# KiCad board PSEC5_Board.kicad_pcb (continued)
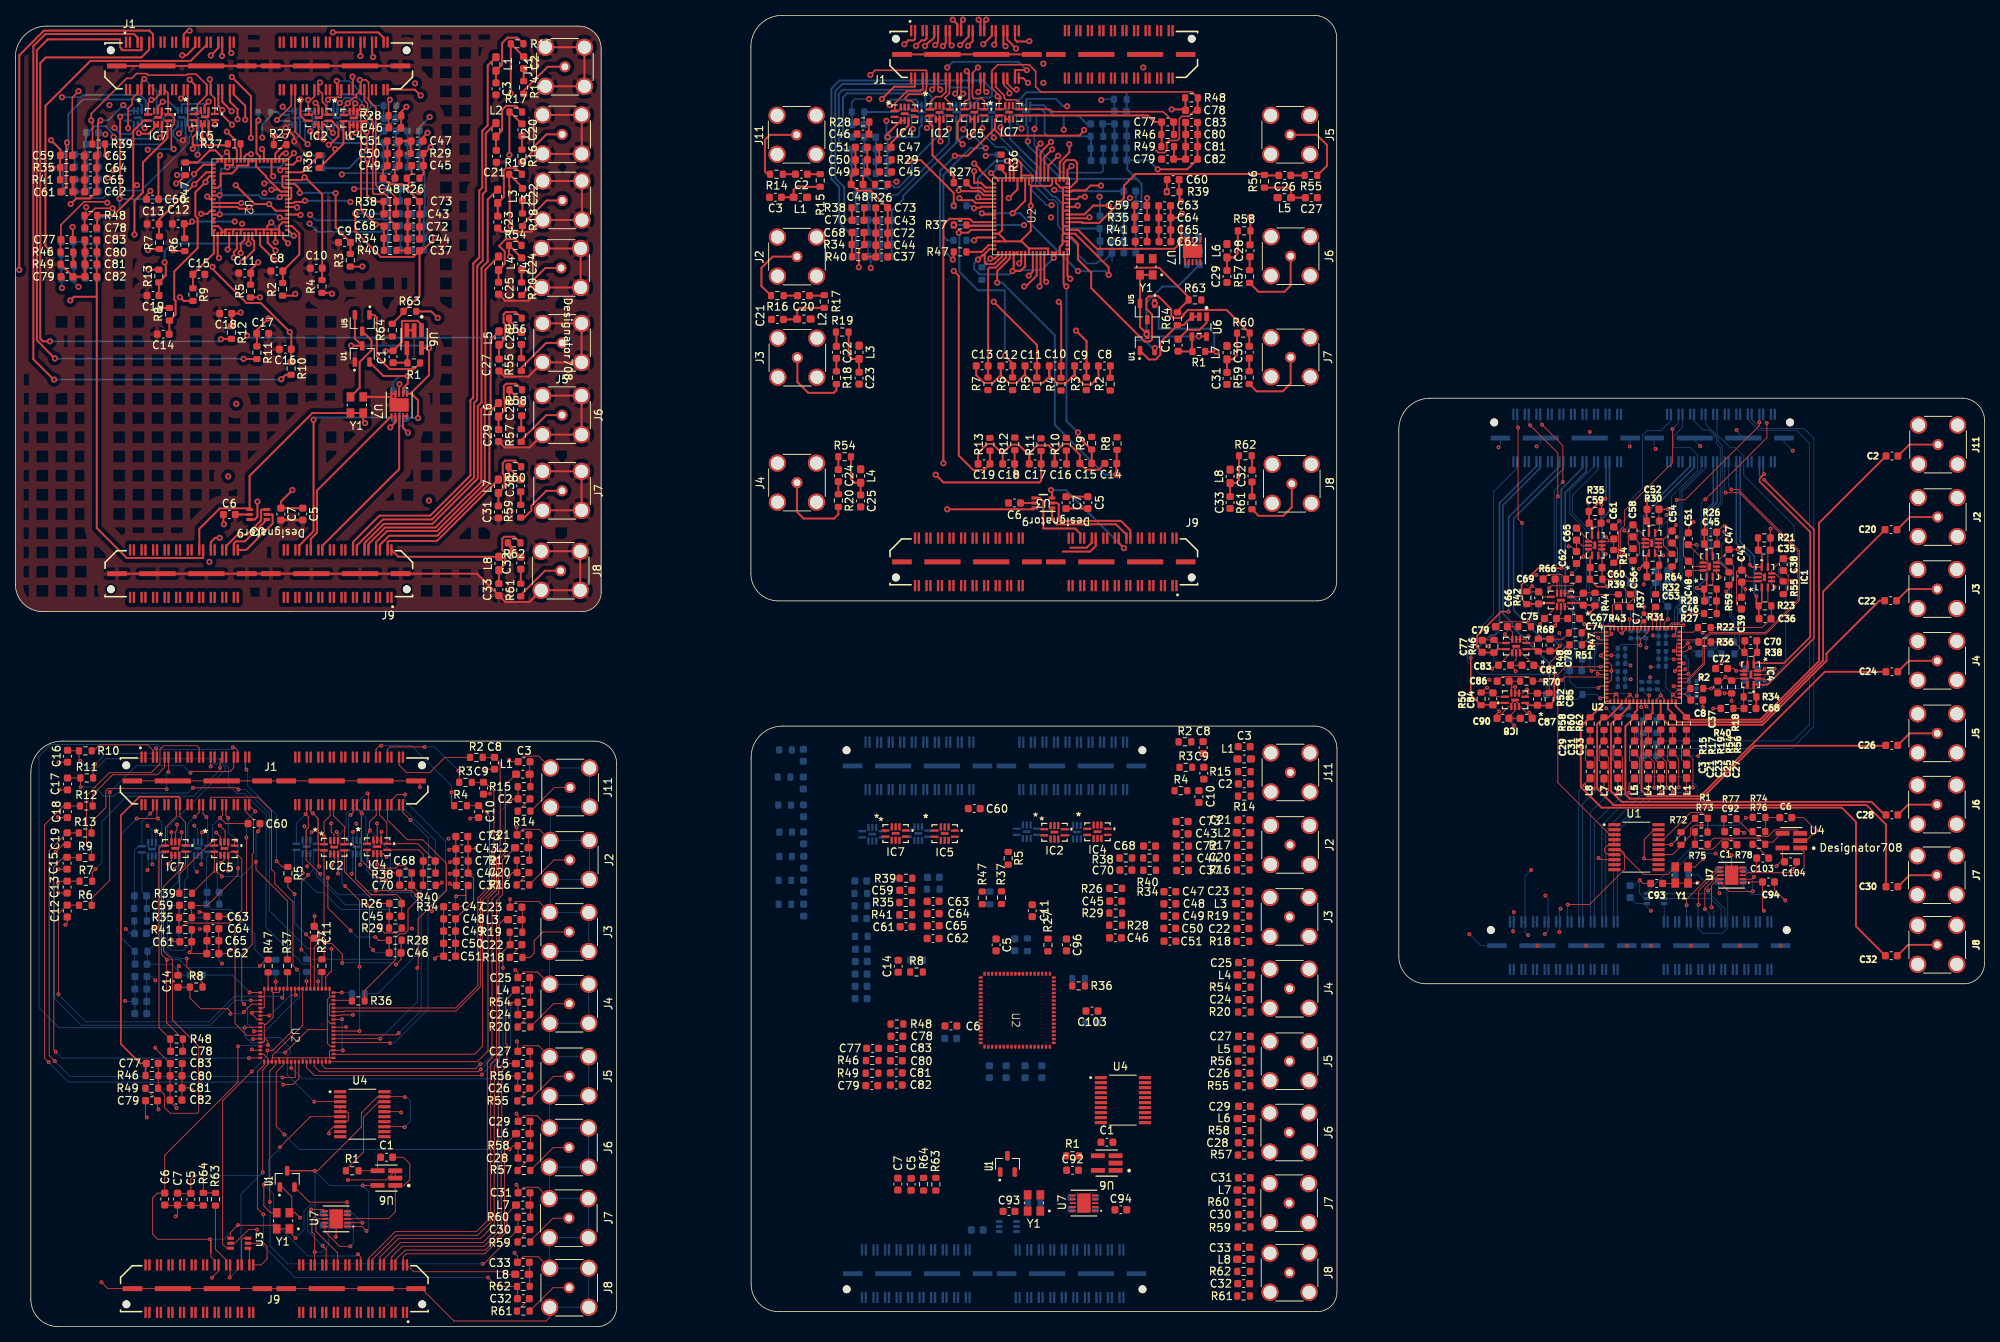
[diagram p0: board, top side]
## Placement (name value [footprint] x y rotation side) (continued)
C68#2  1.3pF  [C_0603_1608Metric]  53.83 60.59 180 top
C68#3  1.3pF  [C_0603_1608Metric]  225.64 80.45 180 top
C68#4  1.3pF  [C_0603_1608Metric]  48.71 143.2 180 top
C68#5  1.3pF  [C_0603_1608Metric]  147.52 62.55 180 top
C69  0.1u  [C_0603_1608Metric]  199.49 97.27 180 top
C69#2  0.1u  [C_0603_1608Metric]  6.94 152.56 0 bottom
C69#3  0.1u  [C_0603_1608Metric]  22.11 54.83 0 bottom
C69#4  0.1u  [C_0603_1608Metric]  115.8 56.78 0 bottom
C69#5  0.1u  [C_0603_1608Metric]  141.86 144.53 0 bottom
C70  1.3pF  [C_0603_1608Metric]  50.76 57.45 180 top
C70#2  1.3pF  [C_0603_1608Metric]  225.74 89.25 0 top
C70#3  1.3pF  [C_0603_1608Metric]  109.59 143.98 0 top
C70#4  1.3pF  [C_0603_1608Metric]  48.7 144.79 0 top
C70#5  1.3pF  [C_0603_1608Metric]  144.45 59.41 180 top
C71  1000pF  [C_0603_1608Metric]  144.96 139.76 0 bottom
C71#2  1000pF  [C_0603_1608Metric]  25.71 48.57 0 bottom
C71#3  1000pF  [C_0603_1608Metric]  10.03 147.79 0 bottom
C71#4  1000pF  [C_0603_1608Metric]  202.69 92.15 180 bottom
C71#5  1000pF  [C_0603_1608Metric]  119.41 50.52 0 bottom
C72  1000pF  [C_0603_1608Metric]  112.69 142.3 0 top
C72#2  1000pF  [C_0603_1608Metric]  51.8 143.12 0 top
C72#3  1000pF  [C_0603_1608Metric]  151.82 62.54 0 top
C72#4  1000pF  [C_0603_1608Metric]  221.94 85.65 0 top
C72#5  1000pF  [C_0603_1608Metric]  58.12 60.58 0 top
C73  0.1uF  [C_0603_1608Metric]  58.07 63.78 0 top
C73#2  0.1uF  [C_0603_1608Metric]  112.69 145.6 0 top
C73#3  0.1uF  [C_0603_1608Metric]  151.77 65.74 0 top
C73#4  0.1uF  [C_0603_1608Metric]  51.8 146.42 0 top
C73#5  0.1uF  [C_0603_1608Metric]  221.94 85.65 0 bottom
C74  0.1uF  [C_0603_1608Metric]  202.69 92.15 180 top
C74#2  0.1uF  [C_0603_1608Metric]  25.69 53.42 0 bottom
C74#3  0.1uF  [C_0603_1608Metric]  10.01 152.57 0 bottom
C74#4  0.1uF  [C_0603_1608Metric]  119.38 55.37 0 bottom
C74#5  0.1uF  [C_0603_1608Metric]  144.94 144.53 0 bottom
C75  0.1uF  [C_0603_1608Metric]  199.67 92.15 0 top
C75#2  0.1uF  [C_0603_1608Metric]  119.38 52.15 0 bottom
C75#3  0.1uF  [C_0603_1608Metric]  25.69 50.2 0 bottom
C75#4  0.1uF  [C_0603_1608Metric]  10.01 149.35 0 bottom
C75#5  0.1uF  [C_0603_1608Metric]  144.93 141.32 0 bottom
C76  1000pF  [C_0603_1608Metric]  199.67 92.15 0 bottom
C76#2  1000pF  [C_0603_1608Metric]  25.69 51.79 0 bottom
C76#3  1000pF  [C_0603_1608Metric]  119.38 53.74 0 bottom
C76#4  1000pF  [C_0603_1608Metric]  10.01 150.94 0 bottom
C76#5  1000pF  [C_0603_1608Metric]  144.94 142.91 0 bottom
C77  1.3pF  [C_0603_1608Metric]  190.8 88.55 90 top
C77#2  1.3pF  [C_0603_1608Metric]  17.81 34.26 0 top
C77#3  1.3pF  [C_0603_1608Metric]  6.7 141.46 0 top
C77#4  1.3pF  [C_0603_1608Metric]  149.87 156.77 180 top
C77#5  1.3pF  [C_0603_1608Metric]  111.5 36.22 0 top
C78  1.3pF  [C_0603_1608Metric]  20.97 35.83 180 top
C78#2  1.3pF  [C_0603_1608Metric]  9.8 142.98 180 top
C78#3  1.3pF  [C_0603_1608Metric]  114.67 37.79 180 top
C78#4  1.3pF  [C_0603_1608Metric]  199.62 88.7 270 top
C78#5  1.3pF  [C_0603_1608Metric]  152.97 158.29 0 top
C79  0.1u  [C_0603_1608Metric]  149.87 151.94 0 top
C79#2  0.1u  [C_0603_1608Metric]  17.71 29.4 0 top
C79#3  0.1u  [C_0603_1608Metric]  6.7 136.63 0 top
C79#4  0.1u  [C_0603_1608Metric]  111.4 31.36 0 top
C79#5  0.1u  [C_0603_1608Metric]  193.3 91.1 180 top
C80  1000pF  [C_0603_1608Metric]  114.59 34.6 0 top
C80#2  1000pF  [C_0603_1608Metric]  153 155.15 0 top
C80#3  1000pF  [C_0603_1608Metric]  9.82 139.85 0 top
C80#4  1000pF  [C_0603_1608Metric]  20.9 32.64 0 top
C80#5  1000pF  [C_0603_1608Metric]  196.75 86.07 180 bottom
C81  0.1uF  [C_0603_1608Metric]  153 153.58 0 top
C81#2  0.1uF  [C_0603_1608Metric]  20.89 31.07 0 top
C81#3  0.1uF  [C_0603_1608Metric]  9.82 138.27 0 top
C81#4  0.1uF  [C_0603_1608Metric]  196.75 86.07 180 top
C81#5  0.1uF  [C_0603_1608Metric]  114.59 33.03 0 top
C82  0.1uF  [C_0603_1608Metric]  152.99 151.94 0 top
C82#2  0.1uF  [C_0603_1608Metric]  9.81 136.63 0 top
C82#3  0.1uF  [C_0603_1608Metric]  20.89 29.48 0 top
C82#4  0.1uF  [C_0603_1608Metric]  114.58 31.44 0 top
C82#5  0.1uF  [C_0603_1608Metric]  193.7 86.07 0 bottom
C83  1000pF  [C_0603_1608Metric]  114.62 36.2 0 top
C83#2  1000pF  [C_0603_1608Metric]  152.99 156.72 0 top
C83#3  1000pF  [C_0603_1608Metric]  9.81 141.41 0 top
C83#4  1000pF  [C_0603_1608Metric]  193.7 86.07 0 top
C83#5  1000pF  [C_0603_1608Metric]  20.93 34.24 0 top
C84  1.3pF  [C_0603_1608Metric]  192.18 81.7 90 top
C84#2  1.3pF  [C_0603_1608Metric]  6.8 136.4 180 bottom
C84#3  1.3pF  [C_0603_1608Metric]  109.97 58 0 bottom
C84#4  1.3pF  [C_0603_1608Metric]  16.27 56.05 0 bottom
C84#5  1.3pF  [C_0603_1608Metric]  140.69 151.75 180 bottom
C85  1.3pF  [C_0603_1608Metric]  197.98 81.65 270 top
C85#2  1.3pF  [C_0603_1608Metric]  143.73 158.15 180 bottom
C85#3  1.3pF  [C_0603_1608Metric]  16.35 47.17 180 bottom
C85#4  1.3pF  [C_0603_1608Metric]  110.04 49.12 180 bottom
C85#5  1.3pF  [C_0603_1608Metric]  9.84 142.81 180 bottom
C86  0.1u  [C_0603_1608Metric]  193.53 84 180 top
C86#2  0.1u  [C_0603_1608Metric]  6.74 141.18 0 bottom
C86#3  0.1u  [C_0603_1608Metric]  140.64 156.52 0 bottom
C86#4  0.1u  [C_0603_1608Metric]  16.26 51.16 180 bottom
C86#5  0.1u  [C_0603_1608Metric]  109.96 53.11 180 bottom
C87  1000pF  [C_0603_1608Metric]  196.53 79.17 180 top
C87#2  1000pF  [C_0603_1608Metric]  110.01 44.28 0 bottom
C87#3  1000pF  [C_0603_1608Metric]  16.31 42.33 0 bottom
C87#4  1000pF  [C_0603_1608Metric]  143.77 153.37 0 bottom
C87#5  1000pF  [C_0603_1608Metric]  9.88 138.03 0 bottom
C88  0.1uF  [C_0603_1608Metric]  16.32 43.93 0 bottom
C88#2  0.1uF  [C_0603_1608Metric]  196.53 79.17 180 bottom
C88#3  0.1uF  [C_0603_1608Metric]  143.77 154.95 0 bottom
C88#4  0.1uF  [C_0603_1608Metric]  9.88 139.6 0 bottom
C88#5  0.1uF  [C_0603_1608Metric]  110.01 45.88 0 bottom
C89  0.1uF  [C_0603_1608Metric]  193.5 79.17 0 bottom
C89#2  0.1uF  [C_0603_1608Metric]  143.74 156.52 0 bottom
C89#3  0.1uF  [C_0603_1608Metric]  110.02 47.51 0 bottom
C89#4  0.1uF  [C_0603_1608Metric]  16.33 45.56 0 bottom
C89#5  0.1uF  [C_0603_1608Metric]  9.85 141.18 0 bottom
C90  1000pF  [C_0603_1608Metric]  193.5 79.17 0 top
C90#2  1000pF  [C_0603_1608Metric]  16.31 40.73 0 bottom
C90#3  1000pF  [C_0603_1608Metric]  9.9 136.45 0 bottom
C90#4  1000pF  [C_0603_1608Metric]  110 42.68 0 bottom
C90#5  1000pF  [C_0603_1608Metric]  143.79 151.8 0 bottom
C91  0.1u  [C_0603_1608Metric]  125.12 12.58 0 bottom
C91#2  0.1u  [C_0603_1608Metric]  210.04 56.62 270 bottom
C92  C  [C_0603_1608Metric]  223.11 64.42 180 top
C92#2  0.1u  [C_0603_1608Metric]  137.52 20.35 0 top
C93  0.1u  [C_0603_1608Metric]  129.25 15 0 top
C93#2  0.1u  [C_0603_1608Metric]  213.49 57.67 0 top
C94  0.1u  [C_0603_1608Metric]  228.04 57.87 0 top
C94#2  0.1u  [C_0603_1608Metric]  143.8 15.2 0 top
C95  330n  [C_0402_1005Metric]  207.89 80.02 90 bottom
C95#2  700n  [C_0603_1608Metric]  126.69 33.18 90 bottom
C96  400n  [C_0603_1608Metric]  136.72 49.68 270 top
C96#2  680n  [C_0402_1005Metric]  218.19 82.05 180 bottom
C97  700n  [C_0603_1608Metric]  128.87 33.18 90 bottom
C97#2  680n  [C_0402_1005Metric]  209.86 80.02 90 bottom
C98  100n  [C_0402_1005Metric]  208.88 80.02 90 bottom
C98#2  700n  [C_0603_1608Metric]  131.34 33.18 90 bottom
C99  330n  [C_0402_1005Metric]  214.21 85.92 0 bottom
C99#2  700n  [C_0603_1608Metric]  133.52 33.18 90 bottom
C100  700n  [C_0603_1608Metric]  140.02 39.53 180 bottom
C100#2  680n  [C_0402_1005Metric]  214.21 86.9 0 bottom
C101  100n  [C_0402_1005Metric]  214.21 87.87 0 bottom
C101#2  700n  [C_0603_1608Metric]  129.99 49.7 270 bottom
C102  100n  [C_0402_1005Metric]  218.19 83.02 180 bottom
C102#2  700n  [C_0603_1608Metric]  121.67 37.5 0 bottom
C103  400n  [C_0603_1608Metric]  140.04 41.08 180 top
C103#2  C  [C_0603_1608Metric]  227.29 60.97 0 top
C104  0.1u  [C_0603_1608Metric]  230.91 60.5 180 top
C105  330n  [C_0402_1005Metric]  208.91 88.27 180 bottom
C106  680n  [C_0402_1005Metric]  208.91 87.28 180 bottom
C107  100n  [C_0402_1005Metric]  208.91 86.3 180 bottom
C108  330n  [C_0402_1005Metric]  211.53 83.42 270 bottom
C109  680n  [C_0402_1005Metric]  212.54 83.42 270 bottom
C110  100n  [C_0402_1005Metric]  213.58 83.42 270 bottom
C111  330n  [C_0402_1005Metric]  208.91 85.25 180 bottom
C112  680n  [C_0402_1005Metric]  208.9 84.27 180 bottom
C113  100n  [C_0402_1005Metric]  208.91 83.3 180 bottom
C114  330n  [C_0402_1005Metric]  211.11 90.07 90 bottom
C115  680n  [C_0402_1005Metric]  210.14 90.07 90 bottom
C116  100n  [C_0402_1005Metric]  212.09 90.07 90 bottom
C117  330n  [C_0402_1005Metric]  214.21 88.89 0 bottom
C118  680n  [C_0402_1005Metric]  214.21 89.87 0 bottom
C119  100n  [C_0402_1005Metric]  214.21 90.87 0 bottom
IC1  LTC6409IUDB#TRMPBF  [QFN-10_UDB_LIT#2]  227.56 97.52 90 top
IC1#2  LTC6409IUDB#TRMPBF  [QFN-10_UDB_LIT#2]  44.38 62.4 180 bottom
IC1#3  LTC6409IUDB#TRMPBF  [QFN-10_UDB_LIT#2]  138.08 64.35 180 bottom
IC1#4  LTC6409IUDB#TRMPBF  [QFN-10_UDB_LIT]  41.89 157.3 180 bottom
IC1#5  LTC6409IUDB#TRMPBF  [QFN-10_UDB_LIT]  117.88 158.07 0 bottom
IC2  LTC6409IUDB#TRMPBF  [QFN-10_UDB_LIT#2]  135.16 64.34 0 top
IC2#2  LTC6409IUDB#TRMPBF  [QFN-10_UDB_LIT#2]  220.39 98.92 90 top
IC2#3  LTC6409IUDB#TRMPBF  [QFN-10_UDB_LIT#2]  41.47 62.38 0 top
IC2#4  LTC6409IUDB#TRMPBF  [QFN-10_UDB_LIT]  39.43 157.32 0 top
IC2#5  LTC6409IUDB#TRMPBF  [QFN-10_UDB_LIT]  120.22 157.99 0 top
IC3  LTC6409IUDB#TRMPBF  [QFN-10_UDB_LIT#2]  212.89 101.97 90 top
IC3#2  LTC6409IUDB#TRMPBF  [QFN-10_UDB_LIT#2]  131.56 64.4 180 bottom
IC3#3  LTC6409IUDB#TRMPBF  [QFN-10_UDB_LIT]  36.53 157.32 0 bottom
IC3#4  LTC6409IUDB#TRMPBF  [QFN-10_UDB_LIT]  122.4 158.08 0 bottom
IC3#5  LTC6409IUDB#TRMPBF  [QFN-10_UDB_LIT#2]  37.86 62.45 180 bottom
IC4  LTC6409IUDB#TRMPBF  [QFN-10_UDB_LIT]  115.67 157.83 0 top
IC4#2  LTC6409IUDB#TRMPBF  [QFN-10_UDB_LIT#2]  225.71 84.85 270 top
IC4#3  LTC6409IUDB#TRMPBF  [QFN-10_UDB_LIT#2]  47.06 62.44 0 top
IC4#4  LTC6409IUDB#TRMPBF  [QFN-10_UDB_LIT]  43.99 157.27 0 top
IC4#5  LTC6409IUDB#TRMPBF  [QFN-10_UDB_LIT#2]  140.75 64.4 0 top
IC5  LTC6409IUDB#TRMPBF  [QFN-10_UDB_LIT#2]  120.88 64.16 0 top
IC5#2  LTC6409IUDB#TRMPBF  [QFN-10_UDB_LIT#2]  27.19 62.2 0 top
IC5#3  LTC6409IUDB#TRMPBF  [QFN-10_UDB_LIT#2]  205.49 101.67 90 top
IC5#4  LTC6409IUDB#TRMPBF  [QFN-10_UDB_LIT]  124.73 158.02 0 top
IC5#5  LTC6409IUDB#TRMPBF  [QFN-10_UDB_LIT]  24.62 157.42 0 top
IC6  LTC6409IUDB#TRMPBF  [QFN-10_UDB_LIT#2]  201.04 94.57 180 top
IC6#2  LTC6409IUDB#TRMPBF  [QFN-10_UDB_LIT]  127.03 158.04 0 bottom
IC6#3  LTC6409IUDB#TRMPBF  [QFN-10_UDB_LIT#2]  23.74 62.2 180 bottom
IC6#4  LTC6409IUDB#TRMPBF  [QFN-10_UDB_LIT#2]  117.43 64.16 180 bottom
IC6#5  LTC6409IUDB#TRMPBF  [QFN-10_UDB_LIT]  21.64 157.4 0 bottom
IC7  LTC6409IUDB#TRMPBF  [QFN-10_UDB_LIT#2]  114.5 64.17 0 top
IC7#2  LTC6409IUDB#TRMPBF  [QFN-10_UDB_LIT#2]  195.21 88.57 180 top
IC7#3  LTC6409IUDB#TRMPBF  [QFN-10_UDB_LIT]  18.55 157.35 0 top
IC7#4  LTC6409IUDB#TRMPBF  [QFN-10_UDB_LIT]  129.26 158.02 0 top
IC7#5  LTC6409IUDB#TRMPBF  [QFN-10_UDB_LIT#2]  20.8 62.22 0 top
IC8  LTC6409IUDB#TRMPBF  [QFN-10_UDB_LIT#2]  195.08 81.57 180 top
IC8#2  LTC6409IUDB#TRMPBF  [QFN-10_UDB_LIT#2]  17.77 62.12 180 bottom
IC8#3  LTC6409IUDB#TRMPBF  [QFN-10_UDB_LIT]  15.92 157.35 0 bottom
IC8#4  LTC6409IUDB#TRMPBF  [QFN-10_UDB_LIT]  131.5 158.09 0 bottom
IC8#5  LTC6409IUDB#TRMPBF  [QFN-10_UDB_LIT#2]  111.47 64.07 180 bottom
J1  QTH-040-01-X-D-DP-A  [SAMTEC_QTH-040-01-X-D-DP-A]  133.77 165.57 0 top
J1#2  QTH-040-01-X-D-DP-A  [SAMTEC_QTH-040-01-X-D-DP-A]  33.66 71.02 0 top
J1#3  QTH-040-01-X-D-DP-A  [SAMTEC_QTH-040-01-X-D-DP-A]  31.65 164.07 0 top
J1#4  QTH-040-01-X-D-DP-A  [SAMTEC_QTH-040-01-X-D-DP-A]  127.35 72.97 180 bottom
J1#5  QTH-040-01-X-D-DP-A  [SAMTEC_QTH-040-01-X-D-DP-A]  211.6 115.64 180 bottom
J2  Conn_Coaxial  [SMA_Amphenol_132134-14_Vertical]  101.67 139.25 0 top
J2#2  Conn_Coaxial  [SMA_Amphenol_132134-14_Vertical]  250.05 105.36 90 top
J2#3  Conn_Coaxial  [SMA_Amphenol_132134-14_Vertical]  165.81 62.69 90 top
J2#4  Conn_Coaxial  [SMA_Amphenol_132134-14_Vertical]  72.11 60.73 90 top
J2#5  Conn_Coaxial  [SMA_Amphenol_132134-14_Vertical]  71.13 155.16 90 top
J3  Conn_Coaxial  [SMA_Amphenol_132134-14_Vertical]  249.98 95.99 90 top
J3#2  Conn_Coaxial  [SMA_Amphenol_132134-14_Vertical]  101.72 126.1 0 top
J3#3  Conn_Coaxial  [SMA_Amphenol_132134-14_Vertical]  72.04 51.36 90 top
J3#4  Conn_Coaxial  [SMA_Amphenol_132134-14_Vertical]  71.15 146.56 90 top
J3#5  Conn_Coaxial  [SMA_Amphenol_132134-14_Vertical]  165.74 53.32 90 top
J4  Conn_Coaxial  [SMA_Amphenol_132134-14_Vertical]  70.99 137.77 90 top
J4#2  Conn_Coaxial  [SMA_Amphenol_132134-14_Vertical]  249.99 86.65 90 top
J4#3  Conn_Coaxial  [SMA_Amphenol_132134-14_Vertical]  101.67 109.84 0 top
J4#4  Conn_Coaxial  [SMA_Amphenol_132134-14_Vertical]  72.05 42.02 90 top
J4#5  Conn_Coaxial  [SMA_Amphenol_132134-14_Vertical]  165.74 43.98 90 top
J5  Conn_Coaxial  [SMA_Amphenol_132134-14_Vertical]  71.11 128.02 180 top
J5#2  Conn_Coaxial  [SMA_Amphenol_132134-14_Vertical]  249.98 77.21 180 top
J5#3  Conn_Coaxial  [SMA_Amphenol_132134-14_Vertical]  165.83 155.1 180 top
J5#4  Conn_Coaxial  [SMA_Amphenol_132134-14_Vertical]  165.74 34.54 180 top
J5#5  Conn_Coaxial  [SMA_Amphenol_132134-14_Vertical]  72.04 32.58 180 top
J6  Conn_Coaxial  [SMA_Amphenol_132134-14_Vertical]  165.88 139.3 180 top
J6#2  Conn_Coaxial  [SMA_Amphenol_132134-14_Vertical]  165.7 25.26 270 top
J6#3  Conn_Coaxial  [SMA_Amphenol_132134-14_Vertical]  72.01 23.31 270 top
J6#4  Conn_Coaxial  [SMA_Amphenol_132134-14_Vertical]  249.95 67.93 270 top
J6#5  Conn_Coaxial  [SMA_Amphenol_132134-14_Vertical]  71.11 118.62 270 top
J7  Conn_Coaxial  [SMA_Amphenol_132134-14_Vertical]  71.99 14.12 270 top
J7#2  Conn_Coaxial  [SMA_Amphenol_132134-14_Vertical]  165.68 16.07 270 top
J7#3  Conn_Coaxial  [SMA_Amphenol_132134-14_Vertical]  71.11 108.77 270 top
J7#4  Conn_Coaxial  [SMA_Amphenol_132134-14_Vertical]  249.93 58.74 270 top
J7#5  Conn_Coaxial  [SMA_Amphenol_132134-14_Vertical]  165.88 126.15 180 top
J8  Conn_Coaxial  [SMA_Amphenol_132134-14_Vertical]  165.74 7.02 270 top
J8#2  Conn_Coaxial  [SMA_Amphenol_132134-14_Vertical]  72.04 5.06 270 top
J8#3  Conn_Coaxial  [SMA_Amphenol_132134-14_Vertical]  166.03 109.69 180 top
J8#4  Conn_Coaxial  [SMA_Amphenol_132134-14_Vertical]  249.98 49.69 270 top
J8#5  Conn_Coaxial  [SMA_Amphenol_132134-14_Vertical]  70.93 98.37 270 top
J9  QTH-040-01-X-D-DP-A  [SAMTEC_QTH-040-01-X-D-DP-A]  33.68 4.94 180 top
J9#2  QTH-040-01-X-D-DP-A  [SAMTEC_QTH-040-01-X-D-DP-A]  31.67 97.99 180 top
J9#3  QTH-040-01-X-D-DP-A  [SAMTEC_QTH-040-01-X-D-DP-A]  133.77 99.53 180 top
J9#4  QTH-040-01-X-D-DP-A  [SAMTEC_QTH-040-01-X-D-DP-A]  127.37 6.89 0 bottom
J9#5  QTH-040-01-X-D-DP-A  [SAMTEC_QTH-040-01-X-D-DP-A]  211.16 49.58 180 bottom
J11  Conn_Coaxial  [SMA_Amphenol_132134-14_Vertical]  72.15 70.16 90 top
J11#2  Conn_Coaxial  [SMA_Amphenol_132134-14_Vertical]  101.61 155.1 270 top
J11#3  Conn_Coaxial  [SMA_Amphenol_132134-14_Vertical]  250.09 114.79 90 top
J11#4  Conn_Coaxial  [SMA_Amphenol_132134-14_Vertical]  165.85 72.12 90 top
J11#5  Conn_Coaxial  [SMA_Amphenol_132134-14_Vertical]  71.48 163.96 90 top
L1  10u  [L_0603_1608Metric_Pad1.05x0.95mm_HandSolder]  217.39 72.27 270 top
L1#2  10u  [L_0603_1608Metric_Pad1.05x0.95mm_HandSolder]  159.84 73.88 180 top
L1#3  10u  [L_0603_1608Metric_Pad1.05x0.95mm_HandSolder]  102.1 146.97 0 top
L1#4  10u  [L_0603_1608Metric_Pad1.05x0.95mm_HandSolder]  66.01 71.89 180 top
L1#5  10u  [L_0603_1608Metric_Pad1.05x0.95mm_HandSolder]  62.51 164.32 90 top
L2  10u  [L_0603_1608Metric_Pad1.05x0.95mm_HandSolder]  65.87 62.32 180 top
L2#2  10u  [L_0603_1608Metric_Pad1.05x0.95mm_HandSolder]  102.57 131.12 0 top
L2#3  10u  [L_0603_1608Metric_Pad1.05x0.95mm_HandSolder]  62.51 155.75 90 top
L2#4  10u  [L_0603_1608Metric_Pad1.05x0.95mm_HandSolder]  159.74 64.28 180 top
L2#5  10u  [L_0603_1608Metric_Pad1.05x0.95mm_HandSolder]  215.56 72.22 270 top
L3  10u  [L_0603_1608Metric_Pad1.05x0.95mm_HandSolder]  214.01 72.22 270 top
L3#2  10u  [L_0603_1608Metric_Pad1.05x0.95mm_HandSolder]  64.95 52.96 180 top
L3#3  10u  [L_0603_1608Metric_Pad1.05x0.95mm_HandSolder]  62.74 147.1 90 top
L3#4  10u  [L_0603_1608Metric_Pad1.05x0.95mm_HandSolder]  159.67 55.05 180 top
L3#5  10u  [L_0603_1608Metric_Pad1.05x0.95mm_HandSolder]  109.74 126.79 90 top
L4  10u  [L_0603_1608Metric_Pad1.05x0.95mm_HandSolder]  65.97 43.81 180 top
L4#2  10u  [L_0603_1608Metric_Pad1.05x0.95mm_HandSolder]  212.41 72.22 270 top
L4#3  10u  [L_0603_1608Metric_Pad1.05x0.95mm_HandSolder]  159.84 45.76 180 top
L4#4  10u  [L_0603_1608Metric_Pad1.05x0.95mm_HandSolder]  109.95 110.7 90 top
L4#5  10u  [L_0603_1608Metric_Pad1.05x0.95mm_HandSolder]  62.85 138.39 90 top
L5  10u  [L_0603_1608Metric_Pad1.05x0.95mm_HandSolder]  62.91 128.65 90 top
L5#2  10u  [L_0603_1608Metric_Pad1.05x0.95mm_HandSolder]  65.97 34.23 180 top
L5#3  10u  [L_0603_1608Metric_Pad1.05x0.95mm_HandSolder]  210.61 72.22 270 top
L5#4  10u  [L_0603_1608Metric_Pad1.05x0.95mm_HandSolder]  159.84 36.13 180 top
L5#5  10u  [L_0603_1608Metric_Pad1.05x0.95mm_HandSolder]  165.06 146.92 180 top
L6  10u  [L_0603_1608Metric_Pad1.05x0.95mm_HandSolder]  208.44 72.27 270 top
L6#2  10u  [L_0603_1608Metric_Pad1.05x0.95mm_HandSolder]  157.6 140.01 90 top
L6#3  10u  [L_0603_1608Metric_Pad1.05x0.95mm_HandSolder]  66 25.12 180 top
L6#4  10u  [L_0603_1608Metric_Pad1.05x0.95mm_HandSolder]  62.85 119.32 90 top
L6#5  10u  [L_0603_1608Metric_Pad1.05x0.95mm_HandSolder]  159.87 27.08 180 top
L7  10u  [L_0603_1608Metric_Pad1.05x0.95mm_HandSolder]  159.84 17.78 180 top
L7#2  10u  [L_0603_1608Metric_Pad1.05x0.95mm_HandSolder]  65.99 15.82 180 top
L7#3  10u  [L_0603_1608Metric_Pad1.05x0.95mm_HandSolder]  62.83 109.37 90 top
L7#4  10u  [L_0603_1608Metric_Pad1.05x0.95mm_HandSolder]  157.6 126.76 90 top
L7#5  10u  [L_0603_1608Metric_Pad1.05x0.95mm_HandSolder]  206.64 72.2 270 top
L8  10u  [L_0603_1608Metric_Pad1.05x0.95mm_HandSolder]  62.89 99.32 90 top
L8#2  10u  [L_0603_1608Metric_Pad1.05x0.95mm_HandSolder]  159.79 8.77 180 top
L8#3  10u  [L_0603_1608Metric_Pad1.05x0.95mm_HandSolder]  158 110.65 90 top
L8#4  10u  [L_0603_1608Metric_Pad1.05x0.95mm_HandSolder]  65.9 6.81 180 top
L8#5  10u  [L_0603_1608Metric_Pad1.05x0.95mm_HandSolder]  204.84 72.25 270 top
R1  R_US  [R_0603_1608Metric]  43.82 20.28 180 top
R1#2  140  [R_0603_1608Metric]  219.31 66.15 0 top
R1#3  R_US  [R_0603_1608Metric]  137.51 22.24 180 top
R1#4  R_US  [R_0603_1608Metric]  51.82 125.41 0 top
R1#5  R_US  [R_0603_1608Metric]  153.94 126.91 0 top
R2  R_US  [R_0603_1608Metric]  142.41 122.65 270 top
R2#2  R_US  [R_0603_1608Metric]  59.96 74.08 180 top
R2#3  R_US  [R_0603_1608Metric]  218.71 83.05 0 top
R2#4  R_US  [R_0603_1608Metric]  152.13 76.11 180 top
R2#5  R_US  [R_0603_1608Metric]  34.76 135 270 top
R3  R_US  [R_0603_1608Metric]  139.31 122.7 270 top
R3#2  R_US  [R_0603_1608Metric]  152.25 72.79 180 top
R3#3  R_US  [R_0603_1608Metric]  43.56 138.77 270 top
R3#4  R_US  [R_0603_1608Metric]  58.55 70.83 180 top
R3#5  R_US  [R_0603_1608Metric]  222.76 87.55 0 bottom
R4  R_US  [R_0603_1608Metric]  151.61 69.75 180 top
R4#2  R_US  [R_0603_1608Metric]  57.91 67.79 180 top
R4#3  R_US  [R_0603_1608Metric]  136.01 122.65 270 top
R4#4  R_US  [R_0603_1608Metric]  39.89 135.37 270 top
R4#5  R_US  [R_0603_1608Metric]  222.76 89.1 0 bottom
R5  R_US  [R_0603_1608Metric]  30.59 134.77 270 top
R5#2  R_US  [R_0603_1608Metric]  132.86 122.7 270 top
R5#3  R_US  [R_0603_1608Metric]  35.45 59 90 top
R5#4  R_US  [R_0603_1608Metric]  129.14 60.95 90 top
R5#5  R_US  [R_0603_1608Metric]  213.36 94.5 90 bottom
R6  R_US  [R_0603_1608Metric]  9.1 54.82 0 top
R6#2  R_US  [R_0603_1608Metric]  22.04 140.8 270 top
R6#3  R_US  [R_0603_1608Metric]  129.71 122.7 270 top
R6#4  R_US  [R_0603_1608Metric]  210.06 94.47 90 bottom
R6#5  R_US  [R_0603_1608Metric]  100.1 54.97 180 bottom
R7  R_US  [R_0603_1608Metric]  9.17 57.96 0 top
R7#2  R_US  [R_0603_1608Metric]  18.74 141.06 270 top
R7#3  R_US  [R_0603_1608Metric]  126.51 122.7 270 top
R7#4  R_US  [R_0603_1608Metric]  100.1 58.08 180 bottom
R7#5  R_US  [R_0603_1608Metric]  202.91 90.3 180 bottom
R8  R_US  [R_0603_1608Metric]  23.52 44.2 0 top
R8#2  R_US  [R_0603_1608Metric]  20.04 131.75 90 top
R8#3  R_US  [R_0603_1608Metric]  143.3 114.92 90 top
R8#4  R_US  [R_0603_1608Metric]  117.22 46.15 0 top
R8#5  R_US  [R_0603_1608Metric]  202.96 86.87 180 bottom
R9  R_US  [R_0603_1608Metric]  139.99 114.97 90 top
R9#2  R_US  [R_0603_1608Metric]  9.09 61.06 0 top
R9#3  R_US  [R_0603_1608Metric]  23.1 134.31 270 top
R9#4  R_US  [R_0603_1608Metric]  100.18 61.18 180 bottom
R9#5  R_US  [R_0603_1608Metric]  203.01 82.27 180 bottom
R10  R_US  [R_0603_1608Metric]  9.1 74.93 0 top
R10#2  R_US  [R_0603_1608Metric]  35.86 124.69 270 top
R10#3  R_US  [R_0603_1608Metric]  136.7 114.83 90 top
R10#4  R_US  [R_0603_1608Metric]  214.94 97.6 90 bottom
R10#5  R_US  [R_0603_1608Metric]  100.17 75.05 180 bottom
R11  R_US  [R_0603_1608Metric]  133.4 114.78 90 top
R11#2  R_US  [R_0603_1608Metric]  31.41 126.75 270 top
R11#3  R_US  [R_0603_1608Metric]  9.28 71.4 0 top
R11#4  R_US  [R_0603_1608Metric]  219.19 94.6 0 bottom
R11#5  R_US  [R_0603_1608Metric]  99.99 71.52 180 bottom
R12  R_US  [R_0603_1608Metric]  9.22 67.75 0 top
R12#2  R_US  [R_0603_1608Metric]  130 114.88 90 top
R12#3  R_US  [R_0603_1608Metric]  28.09 129.37 270 top
R12#4  R_US  [R_0603_1608Metric]  100.05 67.87 180 bottom
R12#5  R_US  [R_0603_1608Metric]  213.51 78.1 270 bottom
R13  R_US  [R_0603_1608Metric]  126.76 114.82 90 top
R13#2  R_US  [R_0603_1608Metric]  9.08 64.24 0 top
R13#3  R_US  [R_0603_1608Metric]  18.66 136.72 90 top
R13#4  R_US  [R_0603_1608Metric]  100.2 64.36 180 bottom
R13#5  R_US  [R_0603_1608Metric]  211.79 78.1 270 bottom
R14  50  [R_0603_1608Metric]  159.86 69.04 0 top
R14#2  50  [R_0603_1608Metric]  66.11 161.26 270 top
R14#3  2k  [R_0603_1608Metric]  207.91 100.24 270 top
R14#4  50  [R_0603_1608Metric]  66.16 67.08 0 top
R14#5  50  [R_0603_1608Metric]  99 149.97 180 top
R15  50  [R_0603_1608Metric]  217.36 78.5 90 top
R15#2  50  [R_0603_1608Metric]  66.16 70.27 180 top
R15#3  50  [R_0603_1608Metric]  159.86 72.23 180 top
R15#4  50  [R_0603_1608Metric]  65.26 166.95 180 top
R15#5  50  [R_0603_1608Metric]  104.69 149.16 90 top
R16  50  [R_0603_1608Metric]  159.72 59.44 0 top
R16#2  50  [R_0603_1608Metric]  65.89 152.34 270 top
R16#3  50  [R_0603_1608Metric]  66.02 57.48 0 top
R16#4  50  [R_0603_1608Metric]  99.11 134.17 180 top
R16#5  2k  [R_0603_1608Metric]  207.91 103.29 270 bottom
R17  50  [R_0603_1608Metric]  159.73 62.65 180 top
R17#2  50  [R_0603_1608Metric]  215.56 78.5 90 top
R17#3  50  [R_0603_1608Metric]  66.03 60.69 180 top
R17#4  50  [R_0603_1608Metric]  105.21 133.41 90 top
R17#5  50  [R_0603_1608Metric]  65.09 158.07 180 top
R18  50  [R_0603_1608Metric]  106.8 123.49 270 top
R18#2  2k  [R_0603_1608Metric]  223.24 83.25 270 top
R18#3  50  [R_0603_1608Metric]  65.13 48.04 0 top
R18#4  50  [R_0603_1608Metric]  65.96 144.05 270 top
R18#5  50  [R_0603_1608Metric]  159.68 50.14 0 top
R19  50  [R_0603_1608Metric]  214.01 78.52 90 top
R19#2  50  [R_0603_1608Metric]  65.11 51.33 180 top
R19#3  50  [R_0603_1608Metric]  159.67 53.43 180 top
R19#4  50  [R_0603_1608Metric]  107.56 129.44 180 top
R19#5  50  [R_0603_1608Metric]  65.06 149.97 180 top
R20  R_US  [R_0603_1608Metric]  66.16 39 0 top
R20#2  R_US  [R_0603_1608Metric]  107.05 107.5 270 top
R20#3  R_US  [R_0603_1608Metric]  159.86 40.95 0 top
R20#4  R_US  [R_0603_1608Metric]  65.85 135.06 270 top
R20#5  2k  [R_0603_1608Metric]  223.24 83.25 90 bottom
R21  1000  [R_0603_1608Metric]  227.48 102.65 180 top
R21#2  1000  [R_0603_1608Metric]  147.52 60.99 0 bottom
R21#3  1000  [R_0603_1608Metric]  48.74 152.46 0 bottom
R21#4  1000  [R_0603_1608Metric]  53.82 59.03 0 bottom
R21#5  1000  [R_0603_1608Metric]  109.63 151.65 0 bottom
R22  1000  [R_0603_1608Metric]  219.69 90.97 180 top
R22#2  1000  [R_0603_1608Metric]  127.85 151.7 270 bottom
R22#3  1000  [R_0603_1608Metric]  39.86 151.6 90 bottom
R22#4  1000  [R_0603_1608Metric]  138.3 45.3 180 bottom
R22#5  1000  [R_0603_1608Metric]  44.6 43.34 180 bottom
R23  1000  [R_0603_1608Metric]  227.58 93.8 0 top
R23#2  1000  [R_0603_1608Metric]  109.61 158.07 0 bottom
R23#3  1000  [R_0603_1608Metric]  144.45 59.41 0 bottom
R23#4  1000  [R_0603_1608Metric]  48.71 158.89 0 bottom
R23#5  1000  [R_0603_1608Metric]  50.75 57.45 0 bottom
R24  1000  [R_0603_1608Metric]  48.72 154.04 0 bottom
R24#2  1000  [R_0603_1608Metric]  109.61 153.22 0 bottom
R24#3  1000  [R_0603_1608Metric]  53.83 57.44 0 bottom
R24#4  1000  [R_0603_1608Metric]  228.23 101.85 270 bottom
R24#5  1000  [R_0603_1608Metric]  147.53 59.4 0 bottom
R25  R_US  [C_0603_1608Metric]  50.04 118.19 180 bottom
R25#2  R_US  [R_0603_1608Metric]  153.24 138.23 180 bottom
R25#3  R_US  [C_0603_1608Metric]  221.56 58.71 90 bottom
R25#4  R_US  [C_0603_1608Metric]  40.04 13.99 90 bottom
R25#5  R_US  [C_0603_1608Metric]  137.32 16.04 90 bottom
R26  1000  [R_0603_1608Metric]  112.64 148.65 180 top
R26#2  1000  [R_0603_1608Metric]  51.74 149.46 180 top
R26#3  1000  [R_0603_1608Metric]  143.13 57.03 0 top
R26#4  1000  [R_0603_1608Metric]  220.51 101.84 180 top
R26#5  1000  [R_0603_1608Metric]  49.44 55.07 0 top
R27  1000  [R_0603_1608Metric]  134.32 49.66 270 top
R27#2  1000  [R_0603_1608Metric]  39.87 46.97 270 top
R27#3  1000  [R_0603_1608Metric]  220.49 92.8 180 top
R27#4  1000  [R_0603_1608Metric]  122.89 148.87 0 top
R27#5  1000  [R_0603_1608Metric]  34.44 153.82 0 top
R28  1000  [R_0603_1608Metric]  220.49 95.99 0 top
R28#2  1000  [R_0603_1608Metric]  49.42 50.28 0 top
R28#3  1000  [R_0603_1608Metric]  110.25 156.78 0 top
R28#4  1000  [R_0603_1608Metric]  49.36 157.59 0 top
R28#5  1000  [R_0603_1608Metric]  143.11 52.24 0 top
R29  1000  [R_0603_1608Metric]  113.15 151.85 180 top
R29#2  1000  [R_0603_1608Metric]  143.13 53.82 0 top
R29#3  1000  [R_0603_1608Metric]  52.25 152.67 180 top
R29#4  1000  [R_0603_1608Metric]  49.43 51.86 0 top
R29#5  1000  [R_0603_1608Metric]  221.29 102.56 270 bottom
R30  1000  [R_0603_1608Metric]  213.01 104.84 180 top
R30#2  1000  [R_0603_1608Metric]  49.25 141.69 0 bottom
R30#3  1000  [R_0603_1608Metric]  49.42 53.41 0 bottom
R30#4  1000  [R_0603_1608Metric]  143.12 55.37 0 bottom
R30#5  1000  [R_0603_1608Metric]  110.14 140.88 0 bottom
R31  1000  [R_0603_1608Metric]  213.36 94.5 270 top
R31#2  1000  [R_0603_1608Metric]  32.36 158.07 180 bottom
R31#3  1000  [R_0603_1608Metric]  37.87 46.99 270 bottom
R31#4  1000  [R_0603_1608Metric]  131.64 49.7 270 bottom
R31#5  1000  [R_0603_1608Metric]  122.89 145.87 0 bottom
R32  1000  [R_0603_1608Metric]  212.99 99.09 0 top
R32#2  1000  [R_0603_1608Metric]  143.11 52.25 0 bottom
R32#3  1000  [R_0603_1608Metric]  49.41 50.29 0 bottom
R32#4  1000  [R_0603_1608Metric]  49.21 146.47 180 bottom
R32#5  1000  [R_0603_1608Metric]  110.1 145.65 180 bottom
R33  1000  [R_0603_1608Metric]  213.81 105.61 270 bottom
R33#2  1000  [R_0603_1608Metric]  49.23 143.27 0 bottom
R33#3  1000  [R_0603_1608Metric]  110.12 142.45 0 bottom
R33#4  1000  [R_0603_1608Metric]  143.12 53.82 0 bottom
R33#5  1000  [R_0603_1608Metric]  49.43 51.86 0 bottom
R34  1000  [R_0603_1608Metric]  225.64 81.95 0 top
R34#2  1000  [R_0603_1608Metric]  147.52 60.98 0 top
R34#3  1000  [R_0603_1608Metric]  53.83 59.03 0 top
R34#4  1000  [R_0603_1608Metric]  48.71 141.64 0 top
R34#5  1000  [R_0603_1608Metric]  109.6 140.82 0 top
R35  1000  [R_0603_1608Metric]  22.12 53.25 0 top
R35#2  1000  [R_0603_1608Metric]  205.49 106.09 180 top
R35#3  1000  [R_0603_1608Metric]  115.81 55.2 0 top
R35#4  1000  [R_0603_1608Metric]  146.39 144.34 0 top
R35#5  1000  [R_0603_1608Metric]  6.63 150.83 0 top
R36  1000  [R_0603_1608Metric]  39.51 151.61 90 top
R36#2  1000  [R_0603_1608Metric]  138.3 44.35 180 top
R36#3  1000  [R_0603_1608Metric]  128.21 151.69 270 top
R36#4  1000  [R_0603_1608Metric]  44.6 42.39 180 top
R36#5  1000  [R_0603_1608Metric]  219.74 89.1 180 top
R37  1000  [R_0603_1608Metric]  122.89 143.37 0 top
R37#2  1000  [R_0603_1608Metric]  35.38 46.95 270 top
R37#3  1000  [R_0603_1608Metric]  128.27 55.83 270 top
R37#4  1000  [R_0603_1608Metric]  28.46 153.92 0 top
R37#5  1000  [R_0603_1608Metric]  210.06 94.47 270 top
R38  1000  [R_0603_1608Metric]  50.74 59.03 0 top
R38#2  1000  [R_0603_1608Metric]  144.44 60.99 0 top
R38#3  1000  [R_0603_1608Metric]  109.59 145.6 180 top
R38#4  1000  [R_0603_1608Metric]  48.7 146.42 180 top
R38#5  1000  [R_0603_1608Metric]  225.74 87.75 180 top
R39  1000  [R_0603_1608Metric]  205.61 97.26 0 top
R39#2  1000  [R_0603_1608Metric]  115.84 58.35 0 top
R39#3  1000  [R_0603_1608Metric]  22.15 56.4 0 top
R39#4  1000  [R_0603_1608Metric]  10.83 153.9 0 top
R39#5  1000  [R_0603_1608Metric]  150.6 147.7 0 top
R40  1000  [R_0603_1608Metric]  53.84 57.43 0 top
R40#2  1000  [R_0603_1608Metric]  222.64 80.45 180 top
R40#3  1000  [R_0603_1608Metric]  48.75 140.05 0 top
R40#4  1000  [R_0603_1608Metric]  147.54 59.39 0 top
R40#5  1000  [R_0603_1608Metric]  109.64 139.24 0 top
R41  1000  [R_0603_1608Metric]  22.12 51.67 0 top
R41#2  1000  [R_0603_1608Metric]  146.39 142.77 0 top
R41#3  1000  [R_0603_1608Metric]  115.81 53.63 0 top
R41#4  1000  [R_0603_1608Metric]  6.63 149.26 0 top
R41#5  1000  [R_0603_1608Metric]  205.49 106.09 180 bottom
R42  1000  [R_0603_1608Metric]  196.59 94.85 270 top
R42#2  1000  [R_0603_1608Metric]  22.11 51.58 0 bottom
R42#3  1000  [R_0603_1608Metric]  115.8 53.53 0 bottom
R42#4  1000  [C_0603_1608Metric]  141.86 141.28 0 bottom
R42#5  1000  [R_0603_1608Metric]  6.94 149.31 0 bottom
R43  1000  [R_0603_1608Metric]  208.51 94.47 270 top
R43#2  1000  [R_0603_1608Metric]  122.89 141.37 0 bottom
R43#3  1000  [R_0603_1608Metric]  33.86 46.91 270 bottom
R43#4  1000  [R_0603_1608Metric]  21.96 150.67 90 bottom
R43#5  1000  [R_0603_1608Metric]  126.75 55.79 270 bottom
R44  1000  [R_0603_1608Metric]  205.47 94.67 90 top
R44#2  1000  [R_0603_1608Metric]  25.7 54.99 180 bottom
R44#3  1000  [R_0603_1608Metric]  144.94 146.15 180 bottom
R44#4  1000  [R_0603_1608Metric]  119.39 56.94 180 bottom
R44#5  1000  [R_0603_1608Metric]  10.01 153.86 180 bottom
R45  1000  [R_0603_1608Metric]  141.86 142.91 0 bottom
R45#2  1000  [R_0603_1608Metric]  198.14 94.85 270 bottom
R45#3  1000  [R_0603_1608Metric]  115.79 55.16 0 bottom
R45#4  1000  [R_0603_1608Metric]  6.93 150.94 0 bottom
R45#5  1000  [R_0603_1608Metric]  22.1 53.21 0 bottom
R46  1000  [R_0603_1608Metric]  192.32 88.55 270 top
